# Altium PCB Z80 Card for Diagnotics.PcbDoc (continued)
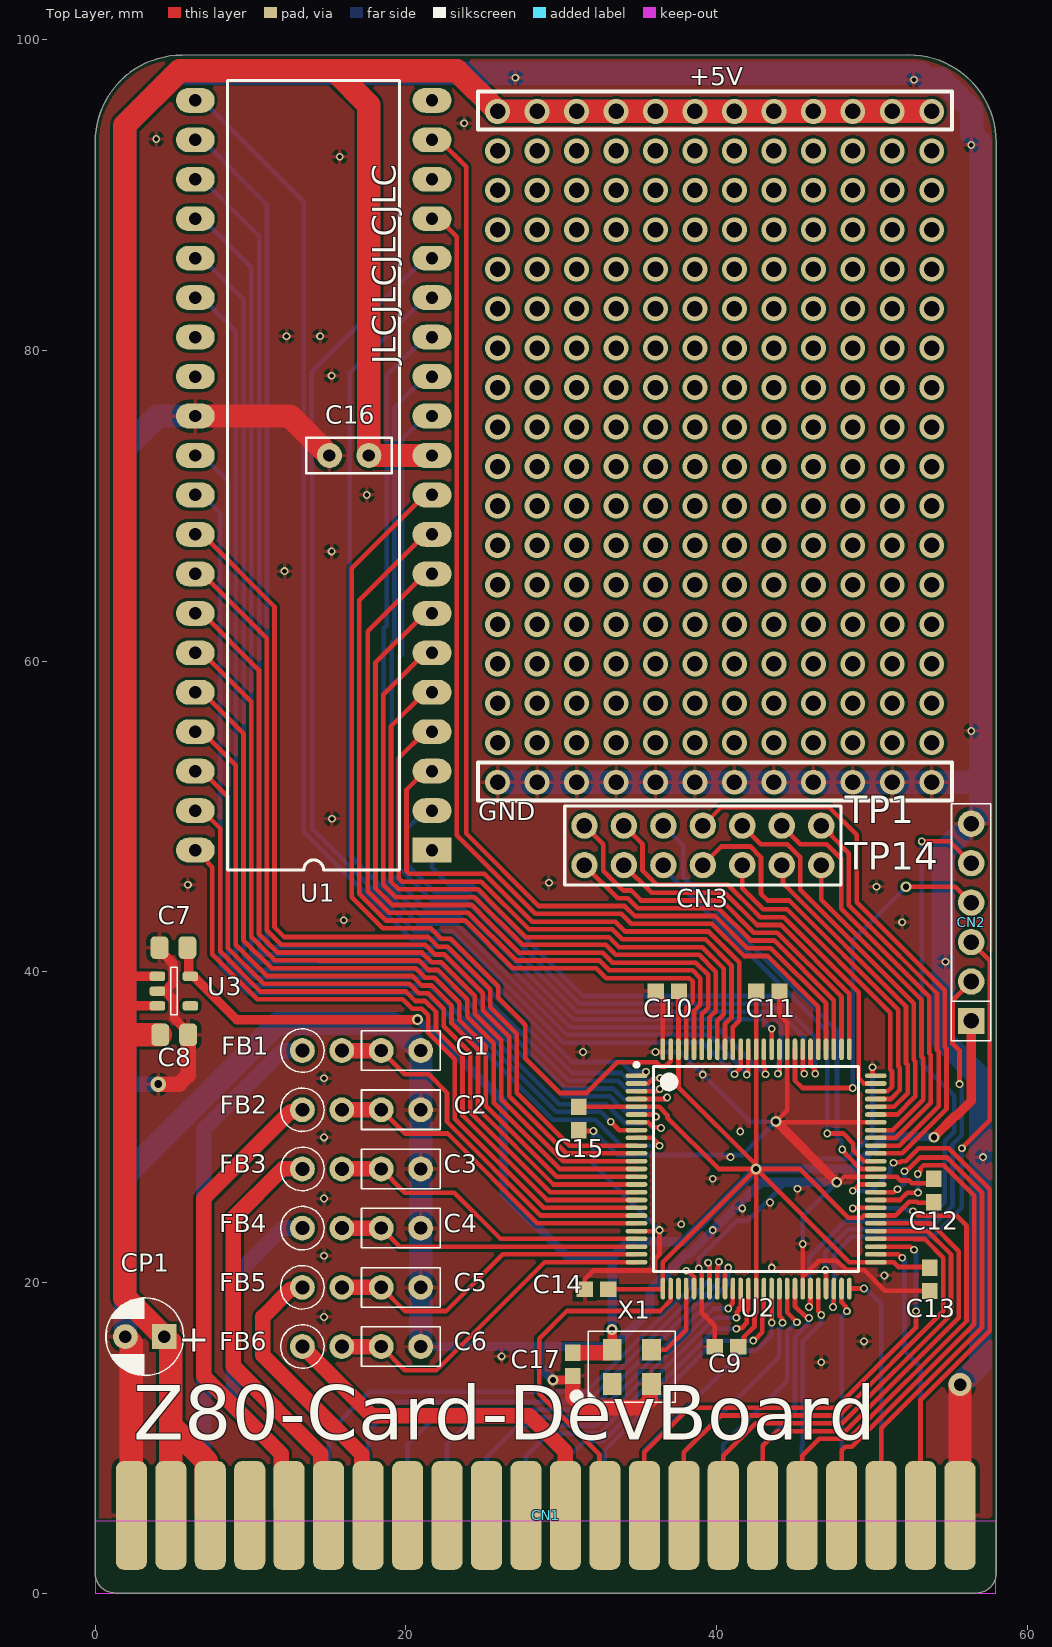
[diagram p0: Top Layer view]
## Nets (pads, with @x,y where several pads share a name; then routed paths per layer and width w, separated by ;. In a path a pad name is that pad's centre, name@x,y a point inside that pad or via, vN(x,y) a via of type N, cw(c..) or ccw(c..) an arc to the next point about the centre after c; other vN are vias at no path point) (continued)
A9: CN1.N U2.37 | length 21.1
  Top Layer w0.3: v2(41.275,17.024) 41.313,17.062 41.609,17.062 41.945,17.398 41.945,18.15 42.045,18.25 U2.37
  Bottom Layer w0.3: CN1.N 30.501,5.236 30.501,8.778 31.502,9.779 32.694,9.779 39.939,17.024 v2(41.275,17.024)
A10: CN1.M U2.36 | length 23
  Top Layer w0.3: v2(41.275,17.724) 41.313,17.762 41.313,18.106 41.445,18.237 41.445,18.357 41.545,18.457 U2.36
  Bottom Layer w0.3: CN1.M 27.729,8.806 29.202,10.279 32.487,10.279 39.931,17.724 v2(41.275,17.724)
A11: CN1.L U2.35 | length 24.7
  Top Layer w0.3: v2(40.754,18.324) 40.754,18.378 41.045,18.669 U2.35
  Bottom Layer w0.3: CN1.L 25.189,8.719 27.265,10.795 32.296,10.795 39.824,18.324 v2(40.754,18.324)
A12: CN1.K U2.34 | length 29.4
  Top Layer w0.3: U2.34 40.545,20.692 40.754,20.901 v2(40.754,20.955)
  Bottom Layer w0.3: CN1.K 22.649,9.568 24.384,11.303 32.097,11.303 40.754,19.961 v2(40.754,20.955)
A13: CN1.J U2.33 | length 32
  Top Layer w0.3: U2.33 40.045,20.899 40.111,20.965 40.111,21.299 v2(40.149,21.338)
  Bottom Layer w0.3: CN1.J 20.109,9.568 22.344,11.803 31.889,11.803 40.132,20.046 40.132,21.321 v2(40.149,21.338)
A14: CN1.H U2.32 | length 34.3
  Top Layer w0.3: v2(39.453,21.266) 39.453,21.212 39.545,21.12 U2.32
  Bottom Layer w0.3: CN1.H 17.569,10.457 19.415,12.303 31.682,12.303 39.549,20.17 39.549,20.716 39.491,20.774 39.491,21.228 v2(39.453,21.266)
A15: CN1.F U2.30 | length 35.2
  Top Layer w0.3: v2(38.045,20.755) 38.083,20.717 38.19,20.717 38.545,20.362 U2.30
  Bottom Layer w0.3: CN1.F 15.029,10.33 17.653,12.954 31.626,12.954 38.345,19.673 38.345,20.516 38.17,20.692 38.162,20.692 38.099,20.755 v2(38.045,20.755)
B\U\S\A\C\K\: U1.23 U2.3 | length 82.6
  Top Layer w0.3: U2.3 36.184,32.305 36.331,32.452 v2(36.348,32.452)
  Bottom Layer w0.3: U1.23 6.894,91.008 10.557,87.345 10.557,41.418 10.867,41.108 22.366,41.108 30.494,32.98 33.663,32.98 34.191,32.452 v2(36.348,32.452)
B\U\S\R\Q\: U1.25 U2.6 | length 78.7
  Top Layer w0.3: U2.6 36.093,30.805 v2(36.093,30.662)
  Bottom Layer w0.3: U1.25 6.894,85.928 9.557,83.265 9.557,41.003 10.452,40.108 21.952,40.108 30.08,31.98 33.116,31.98 34.072,31.024 35.677,31.024 36.039,30.662 v2(36.093,30.662)
BA: C6.2 FB6.2 U2.25 | length 22.5
  Top Layer w0.3: C6.2 19.939,14.351 21.971,14.351 28.925,21.305 U2.25
  Top Layer w1: FB6.2 C6.2
CLK: U1.6 U2.94 | length 45.4
  Top Layer w0.3: U1.6 21.234,60.528 18.542,57.836 18.542,45.597 19.34,44.799 24.438,44.799 27.51,41.727 32.87,41.727 33.512,41.085 34.919,41.085 38.457,41.085 38.871,41.085 39.955,40.001 39.955,39.587 39.955,39.585 39.955,37.469 39.545,37.059 U2.94
D0: CN1.21 U2.61 | length 35.8
  Top Layer w0.3: v2(48.768,25.905) 48.788,25.905 49.188,26.305 U2.61 ; v2(51.387,27.705) 51.425,27.743 51.831,27.743 51.893,27.805 52.164,27.805 53.004,28.645 54.934,28.645 57.589,25.991 57.589,16.897 53.129,12.437 CN1.21
  Bottom Layer w0.3: v2(48.768,25.905) 49.993,25.905 51.181,27.093 51.181,27.445 51.387,27.651 v2(51.387,27.705)
D1: CN1.20 U2.60 | length 32.6
  Top Layer w0.3: U2.60 51.4,25.805 51.589,25.994 v2(51.643,25.994) ; CN1.20 50.589,10.604 57.089,17.104 57.089,25.783 54.827,28.045 53.111,28.045 52.371,27.305 52.296,27.305 52.149,27.159 v2(52.095,27.159)
  Bottom Layer w0.3: v2(51.643,25.994) 51.697,25.994 52.065,26.361 52.095,26.361 v2(52.095,27.159)
D2: CN1.19 U2.59 | length 33.3
  Top Layer w0.3: CN1.19 48.049,9.186 48.293,9.43 48.707,9.43 56.589,17.311 56.589,25.576 54.825,27.34 54.62,27.545 53.33,27.545 53.125,27.34 53.125,27.162 52.947,26.984 v2(52.947,26.983) ; U2.59 51.803,25.305 52.28,25.783 v2(52.966,25.783)
  Bottom Layer w0.3: v2(52.947,26.983) 52.956,26.974 52.956,25.792 v2(52.966,25.783)
D3: CN1.18 U2.58 | length 33.4
  Top Layer w0.3: CN1.18 45.509,8.834 46.605,9.93 47.849,9.93 48.5,9.93 56.089,17.518 56.089,18.569 56.089,23.651 55.445,24.295 53.33,24.295 53.32,24.305 52.978,24.305 52.695,24.588 v2(52.641,24.588) ; v2(48.768,24.765) 48.822,24.765 48.862,24.805 U2.58
  Bottom Layer w0.3: v2(48.768,24.765) 52.156,24.765 52.295,24.626 52.603,24.626 v2(52.641,24.588)
D4: CN1.17 U2.56 | length 30.9
  Top Layer w0.3: CN1.17 42.969,9.483 43.916,10.43 47.642,10.43 48.293,10.43 55.589,17.725 55.589,18.776 55.589,22.01 53.803,23.795 53.114,23.795 53.104,23.805 U2.56
D5: CN1.16 U2.55 | length 31.6
  Top Layer w0.3: CN1.16 40.429,8.834 42.525,10.93 47.435,10.93 48.086,10.93 55.089,17.933 55.089,18.983 55.089,21.802 53.596,23.295 52.907,23.295 52.897,23.305 U2.55
D6: CN1.15 U2.54 | length 32.8
  Top Layer w0.3: CN1.15 37.889,9.06 40.259,11.43 47.879,11.43 54.589,18.14 54.589,21.595 53.389,22.795 52.7,22.795 52.69,22.805 U2.54
D7: CN1.14 U2.53 | length 32.5
  Top Layer w0.3: CN1.14 35.349,9.06 38.227,11.938 47.68,11.938 52.832,17.09 v2(52.832,18.14) ; U2.53 52.483,22.305 52.69,22.098 v2(52.705,22.098)
  Bottom Layer w0.3: v2(52.705,22.098) 52.832,21.971 v2(52.832,18.14)
D\M\A\: CN1.13 U2.27 | length 23.4
  Top Layer w0.3: CN1.13 32.459,5.354 32.459,8.943 28.575,12.827 28.575,16.383 30.353,18.161 36.358,18.161 37.045,18.848 U2.27
"DOT Clk": C3.2 FB3.2 U2.22 | length 20.8
  Top Layer w0.3: C3.2 19.939,25.781 23.114,25.781 26.09,22.805 U2.22
  Top Layer w1: FB3.2 C3.2
GND: C1.1 C2.1 C3.1 C4.1 C5.1 C6.1 C7.1 C8.1 C9.1 C10.1 C11.1 C12.1 C13.1 C14.1 C15.1 C16.1 C17.1 CN1.1 CN1.22 CN1.A CN1.Z CN2.6 CP1.2 U1.29 U2.21 U2.31 U2.44 U2.62 U2.69 U2.75 U2.84 U2.100 U3.2 X1.2 | length 523.3
  Top Layer w0.3: C15.1 31.174,29.746 v2(32.072,29.746) ; C14.1 31.52,20.217 32.068,20.765 35.869,20.765 36.045,20.94 36.045,21.512 36.322,21.789 v2(36.322,23.368) 36.268,23.368 36.205,23.305 U2.21 ; v2(36.068,34.833) 36.545,34.833 U2.100 36.545,38.295 36.105,38.735 C10.1 ; v2(38.857,20.899) 38.857,20.845 39.045,20.657 39.045,18.063 39.89,17.218 C9.1 ; C11.1 44.045,37.22 44.545,36.72 U2.84 44.545,31.083 v3(43.815,30.353) 43.863,30.305 43.884,30.305 U2.69 ; v2(45.545,22.479) 45.545,20.362 46.588,21.405 47.738,21.405 48.338,20.805 49.488,20.805 50.838,19.455 53.709,19.455 C13.1 ; v3(47.738,26.451) 47.846,26.451 48.2,26.805 U2.62 51.601,26.805 51.847,26.559 52.389,26.559 52.565,26.383 53.688,26.383 C12.1 ; v2(50.038,33.855) 50.038,33.305 U2.75
  Top Layer w0.6: U3.2 U3.2@4.478,38.75 ; C7.1 4.137,41.404 5.009,40.532 5.009,39.281 U3.2@4.478,38.75 ; C8.1 5.988,36.091 5.08,36.999 5.08,38.149 U3.2@4.478,38.75 ; v3(29.464,13.716) 30.468,13.716 30.509,13.757 30.534,13.757 30.734,13.957 C17.1 ; v3@43.884,30.305 v3(47.738,26.451)
  Top Layer w1: v5(4.064,32.766) 5.402,32.766 5.988,33.352 C8.1 ; C17.1@30.734,13.957 30.734,12.651 31.447,11.938 35.228,11.938 35.714,12.424 35.714,13.362 X1.2
  Top Layer w1.5: CP1.2 1.945,16.483 2.329,16.099 CN1.1 ; U1.29 12.54,75.768 C16.1 ; CN1.22 55.669,13.422 v4(55.673,13.426)
  Bottom Layer w0.3: v2(36.068,34.833) 37.674,34.833 42.154,30.353 v3(43.815,30.353) ; v2(36.322,23.368) 32.072,27.618 v2(32.072,29.746) 33.612,28.205 41.667,28.205 v3(43.815,30.353) ; v2(38.857,20.899) 38.853,20.903 38.853,21.521 41.294,23.962 41.996,23.962 44.45,26.416 ; v2(45.545,22.479) 45.545,24.258 v3(47.738,26.451) ; v2(50.038,33.855) 50.038,29.575 48.418,27.955 46.213,27.955 v3(43.815,30.353)
  Bottom Layer w0.6: C6.1 28.575,15.875 ; v3(29.464,13.716) 28.575,14.605 28.575,15.875 ; v3(47.738,26.451) 42.864,26.451 38.231,21.818 38.047,21.818 35.718,19.488 35.718,18.205 33.388,15.875 28.575,15.875
  Bottom Layer w1: 1.945,32.766 v5(4.064,32.766)
  Bottom Layer w1.5: CN1.A 2.329,16.099 1.945,16.483 CP1.2 1.945,26.856 ; U1.29 4.013,75.768 1.945,73.7 ; C6.1 C5.1 C4.1 C3.1 C2.1 C1.1 ; C1.1@20.955,34.944 20.909,34.944 20.24,35.613 20.202,35.613 19.14,36.675 11.764,36.675 1.945,26.856 ; v1(25.908,52.197) v1(28.448,52.197) v1(30.988,52.197) v1(33.528,52.197) v1(36.068,52.197) v1(38.608,52.197) v1(41.148,52.197) v1(43.688,52.197) v1(46.228,52.197) v1(48.768,52.197) v1(51.308,52.197) v1(53.848,52.197) 56.989,52.197 ; CN1.Z 55.669,13.422 v4(55.673,13.426) ; v4@55.669,13.43 56.989,14.75 56.989,33.186 54.588,35.586 54.588,47.736 56.382,49.53 CN2.6 56.388,49.584 56.989,50.185 56.989,52.197 ; 1.945,26.856 1.945,32.766 1.945,73.7 ; 1.945,73.7 1.945,94.514 5.269,97.838 53.143,97.838 53.542,97.438 54.459,97.438 56.422,95.475 56.422,93.927 56.989,93.36 56.989,52.197
  other v2: 46.736,14.859 26.162,15.24 49.488,16.206 14.732,17.78 50.8,20.447 43.545,20.955 14.732,21.717 39.751,23.368 37.719,23.749 41.656,24.765 43.434,25.146 14.732,25.4 45.212,26.035 39.751,26.67 40.894,28.067 57.15,28.067 14.732,29.337 41.529,29.718 14.732,33.147 39.116,33.376 31.405,34.833 54.737,40.64 51.943,43.18 16.002,43.307 50.292,45.466 5.969,45.593 29.21,45.72 15.24,49.841 56.388,55.499 12.192,65.786 15.219,67.056 17.488,70.688 15.219,78.359 12.319,80.899 14.478,80.899 15.748,92.456 56.388,93.218 3.937,93.599 23.749,94.615 52.705,97.409 27.051,97.536
I\/\O\1\: C5.2 FB5.2 U2.24 | length 21.1
  Top Layer w0.3: C5.2 19.939,18.161 22.606,18.161 26.25,21.805 U2.24
  Top Layer w1: FB5.2 C5.2
I\N\T\: U1.16 U2.90 | length 75.7
  Top Layer w0.3: v2(41.148,33.401) 41.148,33.427 41.545,33.824 U2.90
  Bottom Layer w0.3: U1.16 21.234,85.928 13.93,78.624 13.93,72.684 13.97,72.644 13.97,49.19 20.552,42.608 22.988,42.608 30.163,35.433 39.116,35.433 v2(41.148,33.401)
L_A0: U1.30 U2.8 | length 64.5
  Top Layer w0.3: v2(33.195,30.346) 33.735,29.805 U2.8
  Bottom Layer w0.3: U1.30 6.894,73.228 8.557,71.565 8.557,40.589 10.038,39.108 21.538,39.108 29.666,30.98 32.56,30.98 v2(33.195,30.346)
L_A1: U1.31 U2.9 | length 66
  Top Layer w0.3: U2.9 35.875,29.305 36.322,28.858 v2(36.322,28.805)
  Bottom Layer w0.3: U1.31 6.894,70.688 8.057,69.525 8.057,40.382 9.831,38.608 21.331,38.608 29.462,30.477 32.189,30.477 33.861,28.805 v2(36.322,28.805)
L_A2: U1.32 U2.10 | length 59.7
  Top Layer w0.3: U1.32 6.894,68.148 11.544,63.498 11.544,42.865 12.176,42.233 21.449,42.233 22.069,41.613 22.688,41.613 25.441,38.859 25.441,37.722 27.146,36.017 27.146,32.197 30.538,28.805 U2.10
L_A3: U1.33 U2.11 | length 57.8
  Top Layer w0.3: U1.33 6.894,65.608 11.044,61.458 11.044,42.658 11.969,41.733 21.242,41.733 21.862,41.113 22.48,41.113 24.941,38.652 24.941,37.515 26.646,35.81 26.646,31.99 30.331,28.305 34.038,28.305 U2.11
L_A4: U1.34 U2.12 | length 55.9
  Top Layer w0.3: U1.34 6.894,63.068 10.544,59.418 10.544,42.451 11.762,41.233 21.035,41.233 21.655,40.613 22.273,40.613 24.441,38.445 24.441,37.308 26.146,35.603 26.146,31.783 30.124,27.805 U2.12
L_A5: U1.35 U2.13 | length 53.9
  Top Layer w0.3: U1.35 6.894,60.528 10.044,57.378 10.044,42.244 10.201,42.087 11.555,40.733 14.345,40.733 14.351,40.727 20.834,40.727 21.448,40.113 22.066,40.113 23.941,38.238 23.941,37.101 25.646,35.396 25.646,31.576 29.917,27.305 U2.13
L_A6: U1.36 U2.14 | length 52
  Top Layer w0.3: U1.36 6.894,57.988 9.544,55.338 9.544,42.037 11.354,40.227 20.626,40.227 21.241,39.613 21.859,39.613 23.441,38.031 23.441,36.894 25.146,35.189 25.146,31.369 29.71,26.805 U2.14
L_A7: U1.37 U2.15 | length 50.2
  Top Layer w0.3: U1.37 6.894,55.448 9.044,53.298 9.044,41.732 10.11,40.666 11.049,39.727 20.419,39.727 21.034,39.113 21.652,39.113 22.941,37.824 22.941,36.687 24.646,34.982 24.646,31.162 29.503,26.305 33.782,26.305 U2.15
L_A8: U1.38 U2.16 | length 48.2
  Top Layer w0.3: U1.38 6.894,52.908 8.544,51.258 8.544,41.525 10.683,39.385 10.842,39.227 20.212,39.227 20.827,38.613 21.445,38.613 22.441,37.617 22.441,36.48 24.146,34.775 24.146,30.955 29.296,25.805 33.989,25.805 U2.16
L_A9: U1.39 U2.17 | length 46.3
  Top Layer w0.3: U1.39 6.894,50.368 8.044,49.218 8.044,41.318 10.635,38.727 20.005,38.727 20.62,38.113 21.238,38.113 21.941,37.41 21.941,36.273 23.646,34.567 23.646,30.748 29.089,25.305 U2.17
L_A10: U1.40 U2.18 | length 44.2
  Top Layer w0.3: U1.40 6.542,47.828 7.253,47.118 7.253,47.019 7.544,46.728 7.544,41.111 10.428,38.227 19.798,38.227 20.413,37.613 21.031,37.613 21.441,37.203 21.441,36.066 23.146,34.36 23.146,30.541 28.882,24.805 U2.18
L_A11: U1.1 U2.81 | length 34.4
  Top Layer w0.3: U2.81 46.045,33.975 46.307,33.713 46.307,33.466 v2(46.345,33.427)
  Bottom Layer w0.3: U1.1 21.684,46.698 22.774,45.608 24.23,45.608 31.405,38.433 43.697,38.433 46.345,35.785 v2(46.345,33.427)
L_A12: U1.2 U2.82 | length 39.1
  Top Layer w0.3: U1.2 U1.2@22.29,50.368 ; U2.82 45.545,33.581 45.645,33.481 v2(45.645,33.427)
  Bottom Layer w0.3: U1.2 21.234,50.368 20.084,49.218 20.084,46.883 21.859,45.108 24.023,45.108 31.198,37.933 43.49,37.933 44.831,36.592 44.831,36.576 45.645,35.762 v2(45.645,33.427)
L_A13: U1.3 U2.91 | length 37
  Top Layer w0.3: U1.3 21.234,52.908 20.042,51.716 20.042,46.475 20.218,46.299 25.059,46.299 28.035,43.324 28.131,43.227 33.491,43.227 34.133,42.585 39.078,42.585 39.493,42.585 41.455,40.623 41.455,36.847 41.045,36.437 41.045,36.068 U2.91
L_A14: U1.4 U2.92 | length 39.9
  Top Layer w0.3: U1.4 21.234,55.448 19.542,53.756 19.542,46.011 19.754,45.799 24.852,45.799 27.924,42.727 33.284,42.727 33.926,42.085 38.871,42.085 39.285,42.085 40.955,40.415 40.955,40.011 40.955,37.055 40.545,36.645 U2.92
L_A15: U1.5 U2.93 | length 42.6
  Top Layer w0.3: U1.5 21.234,57.988 19.042,55.796 19.042,45.804 19.547,45.299 24.645,45.299 25.764,44.18 27.717,42.227 33.077,42.227 33.719,41.585 35.126,41.585 38.664,41.585 39.078,41.585 40.455,40.208 40.455,39.794 40.455,37.262 40.045,36.852 U2.93
L_D0: U1.14 U2.87 | length 67.8
  Top Layer w0.3: U2.87 43.045,33.989 43.107,33.927 43.107,33.439 v2(43.145,33.401)
  Bottom Layer w0.3: U1.14 21.234,80.848 18.77,78.384 18.77,62.28 18.584,62.094 18.584,45.991 20.967,43.608 23.402,43.608 30.577,36.433 40.021,36.433 42.498,33.956 42.59,33.956 v2(43.145,33.401)
L_D1: U1.15 U2.89 | length 71.5
  Top Layer w0.3: v2(41.945,33.376) 41.945,33.43 42.045,33.53 U2.89
  Bottom Layer w0.3: U1.15 21.234,83.388 16.383,78.537 16.383,47.484 20.759,43.108 23.195,43.108 30.37,35.933 39.505,35.933 41.748,33.69 41.748,33.627 41.945,33.43 v2(41.945,33.376)
L_D2: U1.12 U2.85 | length 63.8
  Top Layer w0.3: v2(43.945,33.427) 43.945,33.481 44.045,33.581 U2.85
  Bottom Layer w0.3: U1.12 21.234,75.768 19.77,74.304 19.77,60.448 19.584,60.262 19.584,46.676 21.652,44.608 23.816,44.608 30.991,37.433 43.283,37.433 44.145,36.571 44.145,34.277 43.945,34.077 v2(43.945,33.427)
L_D3: U1.8 U2.96 | length 50.9
  Top Layer w0.3: U1.8 21.234,65.608 17.542,61.916 17.542,45.182 18.925,43.799 24.024,43.799 27.096,40.727 32.455,40.727 33.097,40.085 38.043,40.085 38.457,40.085 38.955,39.587 38.955,39.173 38.955,38.585 38.955,37.883 38.545,37.473 U2.96
L_D4: U1.7 U2.95 | length 48.1
  Top Layer w0.3: U1.7 21.234,63.068 18.042,59.876 18.042,45.39 19.133,44.299 24.231,44.299 25.315,43.215 27.303,41.227 32.663,41.227 33.305,40.585 38.25,40.585 38.664,40.585 39.455,39.794 39.455,39.38 39.455,39.085 39.455,37.676 39.045,37.266 39.045,36.322 U2.95
L_D5: U1.9 U2.97 | length 53.7
  Top Layer w0.3: U1.9 21.234,68.148 17.01,63.924 17.01,45.007 18.718,43.299 23.817,43.299 26.889,40.227 32.248,40.227 32.89,39.585 37.836,39.585 38.25,39.585 38.455,39.38 38.455,38.966 38.455,38.171 38.455,38.09 38.045,37.68 U2.97
L_D6: U1.10 U2.99 | length 57.6
  Top Layer w0.3: U1.10 21.234,70.688 16.51,65.964 16.51,44.8 18.511,42.799 21.59,42.799 22.276,42.113 22.895,42.113 25.941,39.066 25.941,38.321 27.686,36.576 27.686,34.429 29.917,32.197 31.64,32.197 33.606,34.163 36.13,34.163 36.39,33.903 36.7,33.903 37.045,34.248 U2.99
L_D7: U1.13 U2.86 | length 63.3
  Top Layer w0.3: U2.86 v2(43.545,36.322)
  Bottom Layer w0.3: U1.13 21.234,78.308 19.27,76.344 19.27,61.364 19.084,61.178 19.084,46.198 21.174,44.108 23.609,44.108 30.784,36.933 42.934,36.933 v2(43.545,36.322)
MREQ: U1.19 U2.79 | length 76.5
  Top Layer w0.3: U1.19 22.134,93.548 23.876,91.806 23.876,48.896 28.545,44.227 34.083,44.227 34.725,43.585 39.907,43.585 41.98,41.511 43.496,41.511 47.045,37.962 U2.79
N\M\I\: U1.17 U2.80 | length 71.2
  Top Layer w0.3: U1.17 22.134,88.468 23.284,87.318 23.284,48.782 28.338,43.727 33.876,43.727 34.518,43.085 39.7,43.085 41.773,41.011 43.289,41.011 46.545,37.755 U2.80
NetCN1_5: CN1.5 FB2.1 | length 31.4
  Top Layer w1: CN1.5 11.989,5.504 11.989,8.966 6.985,13.97 6.985,25.4 12.585,31 13.22,31 FB2.1
NetCN1_6: CN1.6 FB3.1 | length 27.4
  Top Layer w1: FB3.1 12.065,27.305 8.89,24.13 8.89,14.605 14.529,8.966 14.529,5.504 CN1.6
NetCN1_7: CN1.7 FB5.1 | length 18.9
  Top Layer w1: FB5.1 13.22,19.57 12.585,19.57 10.795,17.78 10.795,15.306 17.169,8.932 17.169,5.404 CN1.7
NetCN1_12: CN1.12 FB6.1 | length 23.8
  Top Layer w1: FB6.1 17.78,11.43 27.94,11.43 30.269,9.101 CN1.12
NetCN1_C: CN1.C FB1.1 | length 33.5
  Bottom Layer w1: CN1.C 6.985,5.428 6.985,29.845 12.065,34.925 FB1.1
NetCN1_E: CN1.E FB4.1 | length 22.6
  Bottom Layer w1: CN1.E 11.989,5.504 11.989,8.966 8.89,12.065 8.89,20.32 12.065,23.495 FB4.1
OSC_50MHZ: U2.29 X1.3 | length 5.4
  Top Layer w0.3: X1.3 36.744,15.662 38.045,16.963 U2.29
Phi2: C4.2 FB4.2 U2.23 | length 19.5
  Top Layer w0.3: C4.2 19.605,22.305 U2.23
  Top Layer w1: FB4.2 C4.2
R/W\: C2.2 FB2.2 U2.20 | length 22
  Top Layer w0.3: C2.2 19.939,29.591 22.681,29.591 28.467,23.805 U2.20
  Top Layer w1: FB2.2 C2.2
R\D\: U1.21 U2.1 | length 79.5
  Top Layer w0.3: U2.1 35.395,33.305 35.395,33.45 35.454,33.509 v2(35.454,33.563)
  Bottom Layer w0.3: U1.21 6.894,96.088 13.43,89.552 13.43,49.023 20.345,42.108 22.781,42.108 30.7,34.189 33.881,34.189 34.507,33.563 v2(35.454,33.563)
R\E\S\E\T\: C1.2 FB1.2 U2.19 | length 24.5
  Top Layer w0.3: C1.2 19.939,33.401 21.463,33.401 22.646,32.218 22.646,30.333 28.674,24.305 U2.19
  Top Layer w1: FB1.2 C1.2
TCK: CN2.3 U2.48 | length 32.4
  Top Layer w0.3: v2(47.498,18.415) 47.498,18.469 47.545,18.516 U2.48 ; v2(55.789,28.639) 56.79,29.641 57.588,30.438 57.588,40.71 CN2.3
  Bottom Layer w0.3: v2(47.498,18.415) 47.498,20.093 47.59,20.185 47.59,21.809 48.711,22.93 53.902,22.93 55.789,24.817 v2(55.789,28.639)
TDI: CN2.5 U2.45 | length 42.7
  Top Layer w0.3: v2(45.945,18.415) 45.945,18.469 46.045,18.569 U2.45 ; v2(53.213,48.387) 54.991,48.387 CN2.5
  Bottom Layer w0.3: v2(45.945,18.415) 45.974,18.444 45.974,21.633 48.272,23.93 53.449,23.93 54.689,25.17 54.689,29.095 55.289,29.695 55.289,32.004 53.213,34.08 v2(53.213,48.387)
TDO: CN2.4 U2.83 | length 24.9
  Top Layer w0.3: U2.83 45.045,33 45.533,32.512 v2(48.768,32.512) ; v3(52.197,45.466) 55.372,45.466 CN2.4
  Bottom Layer w0.3: v2(48.768,32.512) 48.768,42.037 v3(52.197,45.466)
TMS: CN2.2 U2.47 | length 27.2
  Top Layer w0.3: v2(46.99,20.805) 46.99,20.751 47.045,20.696 U2.47 ; v2(55.638,32.766) 55.638,34.913 55.188,35.363 55.188,38.17 CN2.2
  Bottom Layer w0.3: v2(46.99,20.805) 46.99,21.942 48.479,23.43 53.695,23.43 55.189,24.924 55.189,28.888 55.789,29.488 55.789,32.561 55.638,32.712 v2(55.638,32.766)
TP1: CN3.1 U2.66 | length 26
  Top Layer w0.3: CN3.1@47.371,49.403 47.371,48.768 48.514,47.625 48.514,44.271 49.441,43.345 54.188,38.597 54.188,34.949 54.295,34.842 54.295,31.35 51.75,28.805 U2.66
TP2: CN3.2 U2.67 | length 27.3
  Top Layer w0.3: CN3.2 45.396,48.203 47.093,48.203 48.014,47.282 48.014,44.064 53.688,38.39 53.688,34.742 53.795,34.635 53.795,31.558 51.542,29.305 U2.67
TP3: CN3.3 U2.70 | length 26.1
  Top Layer w0.3: CN3.3 42.856,48.203 44.553,48.203 45.396,47.36 45.396,45.268 52.688,37.976 52.688,34.327 52.795,34.22 52.795,31.972 51.628,30.805 U2.70
TP4: CN3.4 U2.65 | length 36.9
  Top Layer w0.3: CN3.4 40.316,50.603 47.233,50.603 49.022,48.814 49.022,44.483 54.688,38.817 54.688,35.156 54.795,35.049 54.795,31.143 51.957,28.305 U2.65
TP5: CN3.5 U2.63 | length 28.3
  Top Layer w0.3: v2(48.09,28.555) 48.09,28.501 48.297,28.294 48.297,28.269 49.261,27.305 U2.63
  Bottom Layer w0.3: CN3.5 37.853,48.126 37.853,46.094 41.529,42.418 47.752,36.195 47.752,29.405 48.052,29.105 48.052,28.593 v2(48.09,28.555)
TP6: CN3.6 U2.74 | length 27.3
  Top Layer w0.3: CN3.6 35.236,48.203 35.236,46.506 36.149,45.593 40.727,45.593 42.541,43.779 42.809,43.511 44.324,43.511 49.149,38.686 49.149,33.144 49.488,32.805 U2.74
TP7: CN3.7 U2.77 | length 26
  Top Layer w0.3: CN3.7@30.988,49.403 CN3.7 32.696,48.203 32.696,46.506 33.863,45.339 33.876,45.339 33.988,45.227 34.497,45.227 35.139,44.585 40.321,44.585 42.395,42.511 43.91,42.511 48.045,38.376 U2.77
TP8: CN3.8 U2.78 | length 22.8
  Top Layer w0.3: CN3.8 33.632,44.727 34.29,44.727 34.932,44.085 40.114,44.085 42.188,42.011 43.703,42.011 47.545,38.169 U2.78
TP9: CN3.9 U2.76 | length 21.5
  Top Layer w0.3: CN3.9 35.814,45.085 40.528,45.085 42.602,43.011 44.117,43.011 48.545,38.583 U2.76
TP10: CN3.10 U2.64 | length 25.8
  Top Layer w0.3: v2(47.117,29.591) 48.144,29.591 48.797,28.939 48.797,28.496 49.488,27.805 U2.64
  Bottom Layer w0.3: CN3.10 36.576,46.664 47.117,36.123 v2(47.117,29.591)
TP11: CN3.11 U2.72 | length 25.8
  Top Layer w0.3: CN3.11 40.316,48.063 42.153,48.063 42.856,47.36 42.856,45.018 43.289,44.585 44.665,44.585 51.688,37.562 51.688,33.913 51.795,33.806 51.795,32.386 51.214,31.805 U2.72
TP12: CN3.12 U2.73 | length 20.3
  Top Layer w0.3: CN3.12 41.656,45.371 42.748,44.279 43.016,44.011 44.531,44.011 51.188,37.355 51.188,33.706 51.295,33.599 51.295,32.598 51.002,32.305 U2.73
TP13: CN3.13 U2.71 | length 20.5
  Top Layer w0.3: CN3.13 44.274,46.785 44.274,45.683 52.188,37.769 52.188,34.12 52.295,34.013 52.295,32.179 51.421,31.305 U2.71
TP14: CN3.14 U2.68 | length 21.7
  Top Layer w0.3: CN3.14 46.736,44.635 53.188,38.183 53.188,34.535 53.295,34.428 53.295,31.765 51.335,29.805 U2.68
VCC: C8.2 C16.2 CN1.2 CN1.3 CP1.1 U1.11 U3.1 U3.3 | length 216.2
  Top Layer w0.6: 1.905,37.8 U3.3 ; 1.905,39.7 U3.1
  Top Layer w1.5: C8.2 1.905,35.941 ; CN1.2 4.869,10.795 ; CN1.3 7.159,5.254 7.159,8.505 4.869,10.795 ; U1.11 C16.2 17.62,95.791 15.411,98 ; v1(53.848,95.377) v1(51.308,95.377) v1(48.768,95.377) v1(46.228,95.377) v1(43.688,95.377) v1(33.528,95.377) v1(30.988,95.377) v1(28.448,95.377) 25.908,95.377 23.285,98 15.411,98 ; 1.905,35.941 1.905,37.8 1.905,39.7 1.905,94.474 5.431,98 15.411,98 ; 1.905,35.941 1.905,19.05 CP1.1 4.869,16.086 4.869,10.795
  Bottom Layer w1.5: v1(25.908,95.375) 25.91,95.377 v1(28.448,95.377) v1(30.988,95.377) v1(33.528,95.377) v1(43.688,95.377) v1(46.228,95.377) v1(48.768,95.377) v1(51.308,95.377) v1(53.848,95.377)
  other v1: 36.068,95.377 38.609,95.377 41.148,95.377
W\A\I\T\: U1.24 U2.4 | length 81.8
  Top Layer w0.3: U2.4 36.662,31.805 36.76,31.903 v2(36.814,31.903)
  Bottom Layer w0.3: U1.24 6.894,88.468 10.057,85.305 10.057,41.21 10.659,40.608 22.159,40.608 30.287,32.48 33.342,32.48 34.072,31.75 36.615,31.75 36.768,31.903 v2(36.814,31.903)
W\R\: U1.22 U2.2 | length 84.6
  Top Layer w0.3: U2.2 35.602,32.805 35.911,33.114 36.326,33.114 v2(36.365,33.152)
  Bottom Layer w0.3: U1.22 6.894,93.548 11.057,89.385 11.057,41.784 11.233,41.608 22.574,41.608 30.702,33.48 33.87,33.48 34.267,33.084 34.279,33.084 34.399,32.963 35.703,32.963 35.853,33.114 36.326,33.114 v2(36.365,33.152)
Z80-R\E\S\E\T\: U1.26 U2.7 | length 77.6
  Top Layer w0.3: U2.7 35.602,30.305 35.929,29.978 36.381,29.978 v2(36.419,29.94)
  Bottom Layer w0.3: U1.26 6.894,83.388 9.057,81.225 9.057,40.796 10.245,39.608 21.745,39.608 29.873,31.48 32.909,31.48 34.163,30.226 35.21,30.226 35.289,30.305 35.54,30.305 35.867,29.978 36.381,29.978 v2(36.419,29.94)
pads on no net: CN1.4 CN1.8 CN1.9 CN1.10 CN1.11 CN1.B CN1.D U1.18 U1.20 U1.27 U1.28 U2.28 U3.4 X1.1
copper on no net:
  other v1: 25.908,54.737 28.448,54.737 30.988,54.737 33.528,54.737 36.068,54.737 38.608,54.737 41.148,54.737 43.688,54.737 46.228,54.737 48.768,54.737 51.308,54.737 53.848,54.737 25.908,57.277 28.448,57.277 30.988,57.277 33.528,57.277 36.068,57.277 38.608,57.277 41.148,57.277 43.688,57.277 46.228,57.277 48.768,57.277 51.308,57.277 53.848,57.277 25.908,59.817 28.448,59.817 30.988,59.817 33.528,59.817 36.068,59.817 38.608,59.817 41.148,59.817 43.688,59.817 46.228,59.817 48.768,59.817 51.308,59.817 53.848,59.817 25.908,62.357 28.448,62.357 30.988,62.357 33.528,62.357 36.068,62.357 38.608,62.357 41.148,62.357 43.688,62.357 46.228,62.357 48.768,62.357 51.308,62.357 53.848,62.357 25.908,64.897 28.448,64.897 30.988,64.897 33.528,64.897 36.068,64.897 38.608,64.897 41.148,64.897 43.688,64.897 46.228,64.897 48.768,64.897 51.308,64.897 53.848,64.897 25.908,67.437 28.448,67.437 30.988,67.437 33.528,67.437 36.068,67.437 38.608,67.437 41.148,67.437 43.688,67.437 46.228,67.437 48.768,67.437 51.308,67.437 53.848,67.437 25.908,69.977 28.448,69.977 30.988,69.977 33.528,69.977 36.068,69.977 38.608,69.977 41.148,69.977 43.688,69.977 46.228,69.977 48.768,69.977 51.308,69.977 53.848,69.977 25.908,72.517 28.448,72.517 30.988,72.517 33.528,72.517 36.068,72.517 38.608,72.517 41.148,72.517 43.688,72.517 46.228,72.517 48.768,72.517 51.308,72.517 53.848,72.517 25.908,75.057 28.448,75.057 30.988,75.057 33.528,75.057 36.068,75.057 38.608,75.057 41.148,75.057 43.688,75.057 46.228,75.057 48.768,75.057 51.308,75.057 53.848,75.057 25.908,77.597 28.448,77.597 30.988,77.597 33.528,77.597 36.068,77.597 38.608,77.597 41.148,77.597 43.688,77.597 46.228,77.597 48.768,77.597 51.308,77.597 53.848,77.597 25.908,80.137 28.448,80.137 30.988,80.137 33.528,80.137 36.068,80.137 38.608,80.137 41.148,80.137 43.688,80.137 46.228,80.137 48.768,80.137 51.308,80.137 53.848,80.137 25.908,82.677 28.448,82.677 30.988,82.677 33.528,82.677 36.068,82.677 38.608,82.677 41.148,82.677 43.688,82.677 46.228,82.677 48.768,82.677 51.308,82.677 53.848,82.677 25.908,85.217 28.448,85.217 30.988,85.217 33.528,85.217 36.068,85.217 38.608,85.217 41.148,85.217 43.688,85.217 46.228,85.217 48.768,85.217 51.308,85.217 53.848,85.217 25.908,87.757 28.448,87.757 30.988,87.757 33.528,87.757 36.068,87.757 38.608,87.757 41.148,87.757 43.688,87.757 46.228,87.757 48.768,87.757 51.308,87.757 53.848,87.757 25.908,90.297 28.448,90.297 30.988,90.297 33.528,90.297 36.068,90.297 38.608,90.297 41.148,90.297 43.688,90.297 46.228,90.297 48.768,90.297 51.308,90.297 53.848,90.297 25.908,92.837 28.448,92.837 30.988,92.837 33.528,92.837 36.068,92.837 38.608,92.837 41.148,92.837 43.688,92.837 46.228,92.837 48.768,92.837 51.308,92.837 53.848,92.837

## Polygon pours and split planes (outlines as drawn)
GND on Top Layer "Top Layer - GND" (solid, remove dead copper, pour order 0): 0,1.295 ccw(c1.288,1.295) 1.288,0.007 56.723,0.007 56.723,0.012 ccw(c56.723,1.288) 57.998,1.288 57.998,93.409 57.993,93.409 ccw(c52.392,93.409) 52.392,99.009 52.392,99.004 5.6,99.004 ccw(c5.6,93.404) 0,93.404 0,1.295
GND on Bottom Layer "Bottom Layer - GND" (solid, remove dead copper, pour order 1): 0,1.295 ccw(c1.288,1.295) 1.288,0.007 56.723,0.007 56.723,0.012 ccw(c56.723,1.288) 57.998,1.288 57.998,93.409 57.993,93.409 ccw(c52.392,93.409) 52.392,99.009 52.392,99.004 5.6,99.004 ccw(c5.6,93.404) 0,93.404 0,1.295

## Keep-outs
Top Layer:
  rectangle: 0,0 57.963,4.623
Bottom Layer:
  rectangle: 0,0 57.963,4.623

## Silkscreen, mask and mechanical layers (free items; w line width, h text height)
Top Overlay:
  lines w0.25: 24.638,51.029 55.161,51.029 55.161,53.467 24.638,53.467 24.638,51.029 ; 24.638,94.209 24.638,96.647 55.161,96.647 55.161,94.209 24.638,94.209
  text "+5V" at 38.227,96.686 h2
  text "JLCJLCJLCJLC" at 19.354,79.09 h1.5 r90
  text "GND" at 24.644,49.376 h2
  text "TP1 / TP14" at 48.26,45.972 h3
  text "Z80-Card-DevBoard" at 2.443,8.72 h6
Bottom Overlay:
  drawing of 83 lines, arcs and shapes, not listed
  text "GND" at 54.983,48.823 h2
  text "TDI" at 54.983,46.291 h2
  text "TDO" at 54.983,43.743 h2
  text "TCK" at 54.983,41.203 h2
  text "Version: '.Version' / Revision: '.Revision' / Date: '.Print_Date'" at 49.403,40.193 h2
  text "TMS" at 54.983,38.663 h2
  text "+3.3V" at 54.958,36.131 h2
Board:
  lines w0.1: 52.392,99.004 5.6,99.004 ccw(c5.6,93.404) 0,93.404 0,1.295 ; 52.392,99.009 cw(c52.392,93.409) 57.993,93.409 ; 57.998,93.409 57.998,1.288 cw(c56.723,1.288) 56.723,0.012 56.723,0.007 1.288,0.007 cw(c1.288,1.295) 0,1.295 ; 0,1.295 0,1.295

## Text inside footprints (layer, text, board x,y; h text height)
CP1: Top Assembly "+" at 7.366,17.602 h3 r180; Top Overlay "+" at 7.361,17.602 h3 r180